# Altium PCB main.PcbDoc (part 1 of 5) (continued)
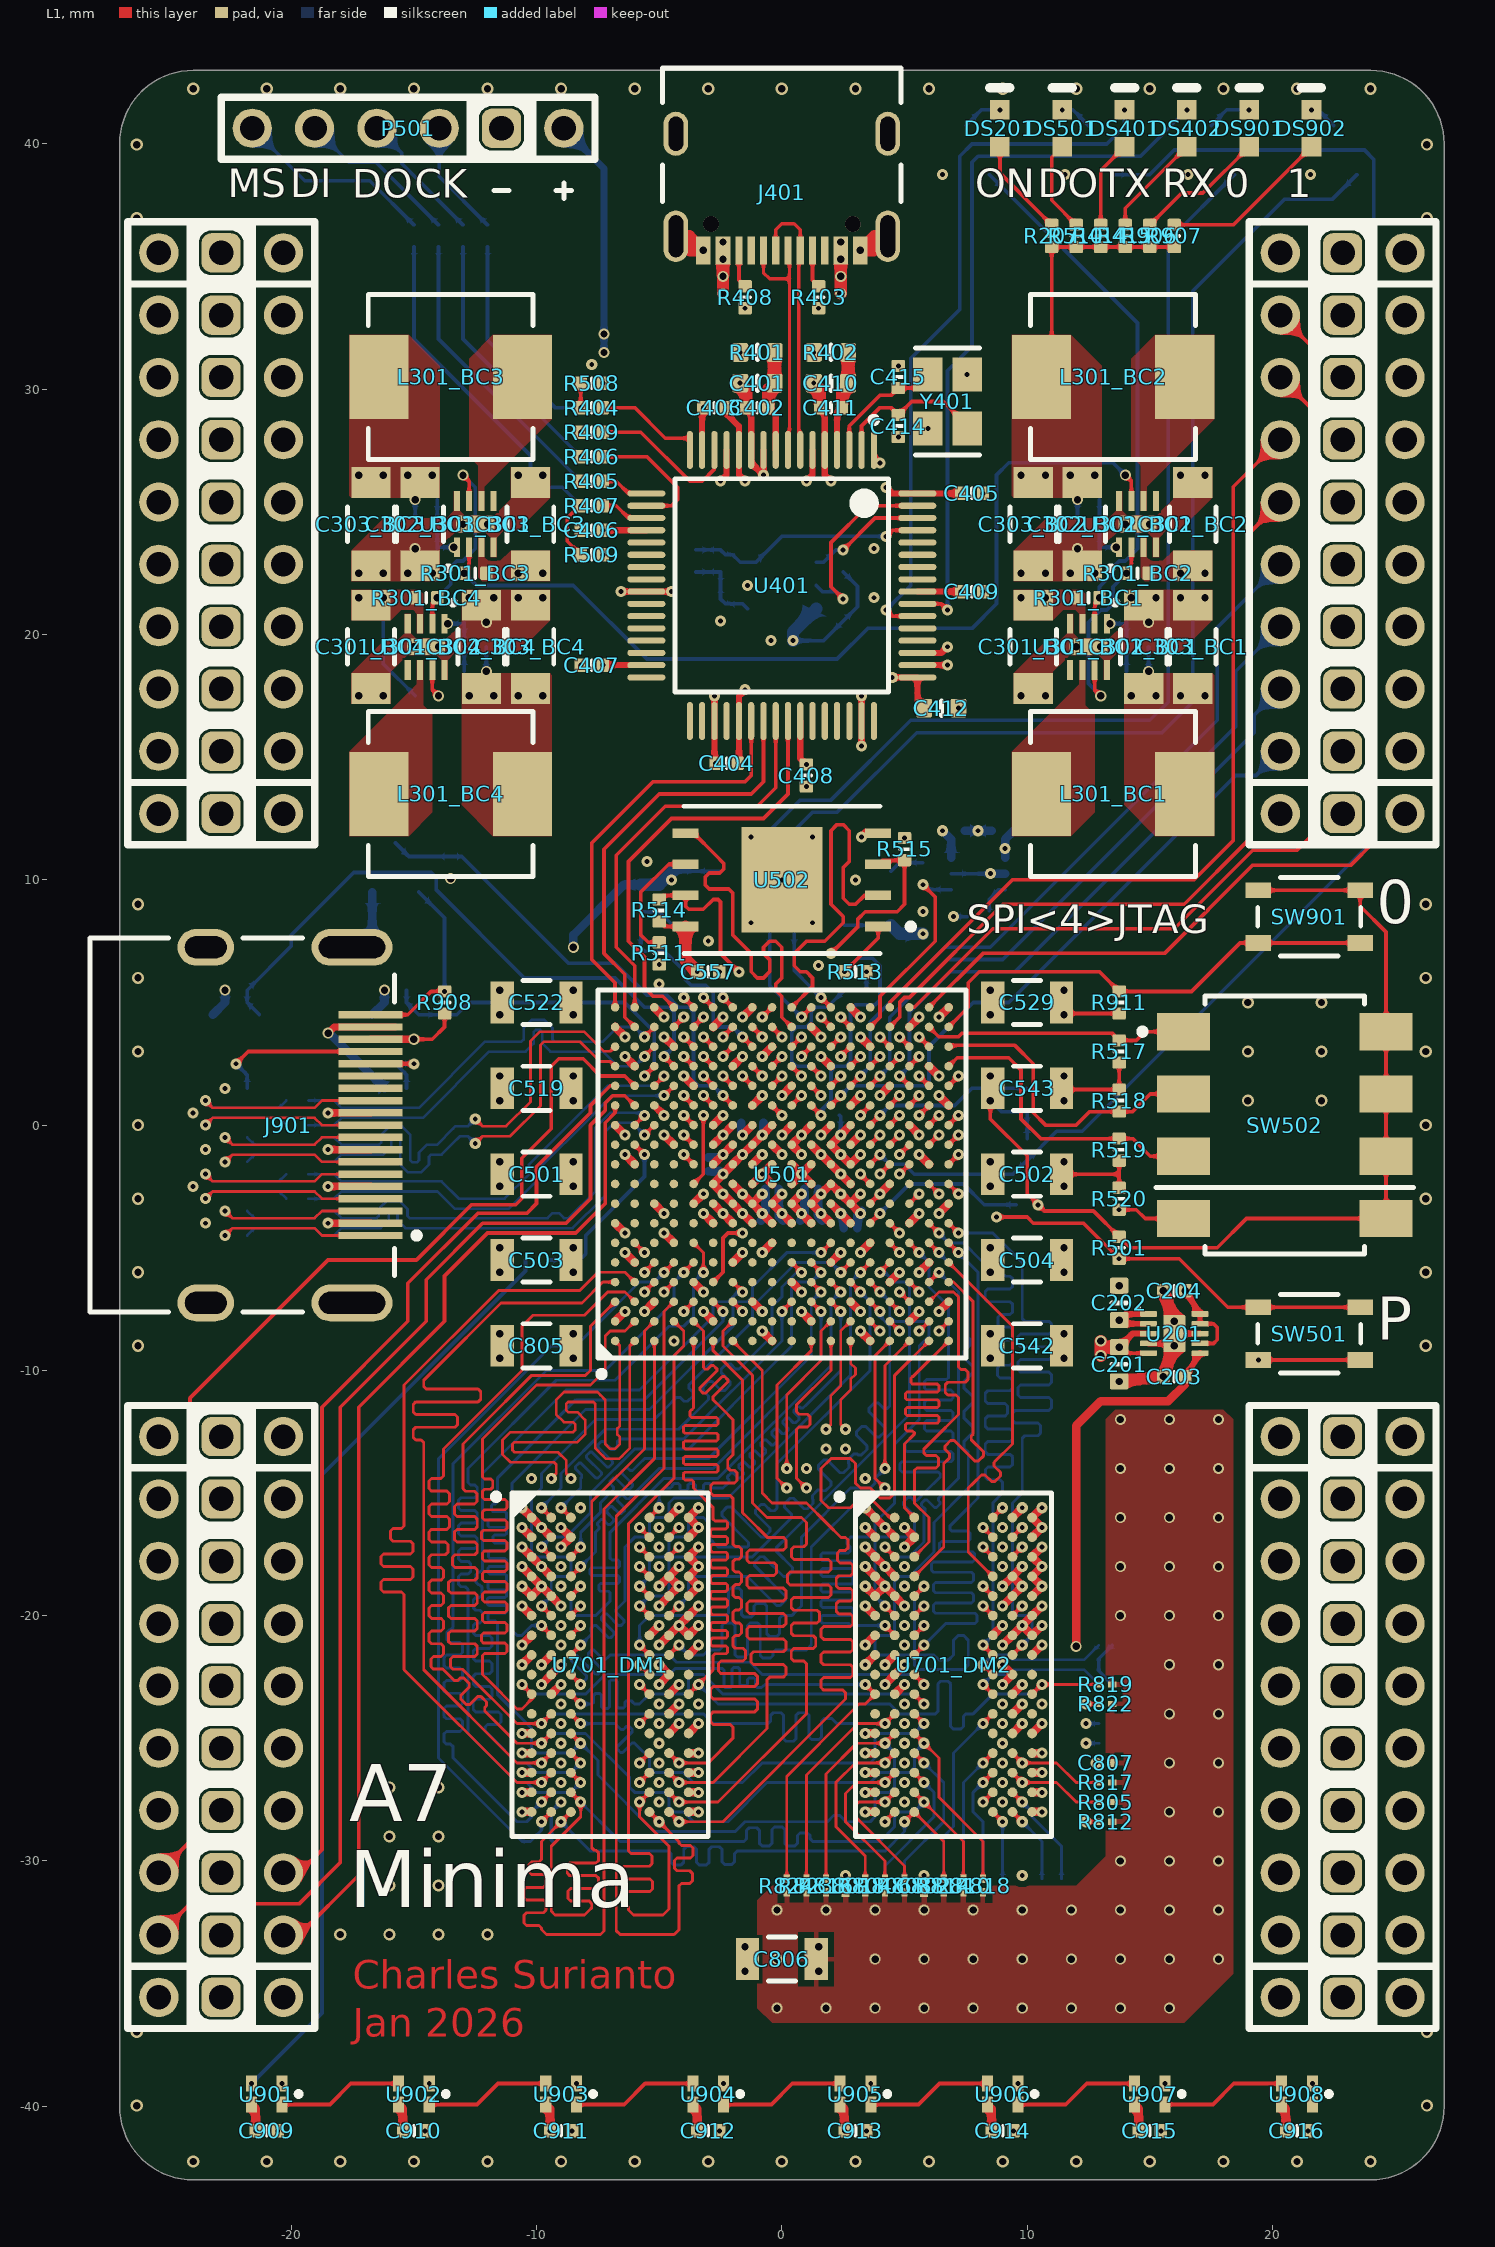
[diagram p0: L1 view]
## Components (designator, comment, footprint, x,y, rotation, side; value= is the part's Value field where it differs from the comment) (continued)
C901 "Capacitors,0402,100n,16" CAPC0402(1005)60_L -22.25,-4.5 r180 bottom value=100n
C902 "Capacitors,0402,100n,16" CAPC0402(1005)60_L -22.25,-3.5 r180 bottom value=100n
C903 "Capacitors,0402,100n,16" CAPC0402(1005)60_L -19.75,-3 r180 bottom value=100n
C904 "Capacitors,0402,100n,16" CAPC0402(1005)60_L -19.75,-2 r180 bottom value=100n
C905 "Capacitors,0402,100n,16" CAPC0402(1005)60_L -22.25,-1.5 r180 bottom value=100n
C906 "Capacitors,0402,100n,16" CAPC0402(1005)60_L -22.25,-0.5 r180 bottom value=100n
C907 "Capacitors,0402,100n,16" CAPC0402(1005)60_L -19.75,0 r180 bottom value=100n
C908 "Capacitors,0402,100n,16" CAPC0402(1005)60_L -19.75,1 r180 bottom value=100n
C909 "Capacitors,0402,100n,16" CAPC0402(1005)60_L -21,-41 r0 top value=100n
C910 "Capacitors,0402,100n,16" CAPC0402(1005)60_L -15,-41 r0 top value=100n
C911 "Capacitors,0402,100n,16" CAPC0402(1005)60_L -9,-41 r0 top value=100n
C912 "Capacitors,0402,100n,16" CAPC0402(1005)60_L -3,-41 r0 top value=100n
C913 "Capacitors,0402,100n,16" CAPC0402(1005)60_L 3,-41 r0 top value=100n
C914 "Capacitors,0402,100n,16" CAPC0402(1005)60_L 9,-41 r0 top value=100n
C915 "Capacitors,0402,100n,16" CAPC0402(1005)60_L 15,-41 r0 top value=100n
C916 "Capacitors,0402,100n,16" CAPC0402(1005)60_L 21,-41 r0 top value=100n
DS201 "SML-LX0603YW-TR" LUMX-SML-LX0603_V 8.89,40.64 r90 top locked
DS401 "SML-LX0603YW-TR" LUMX-SML-LX0603_V 13.97,40.64 r90 top locked
DS402 "SML-LX0603YW-TR" LUMX-SML-LX0603_V 16.51,40.64 r90 top locked
DS501 "SML-LX0603YW-TR" LUMX-SML-LX0603_V 11.43,40.64 r90 top locked
DS901 "SML-LX0603YW-TR" LUMX-SML-LX0603_V 19.05,40.64 r90 top locked
DS902 "SML-LX0603YW-TR" LUMX-SML-LX0603_V 21.59,40.64 r90 top locked
J401 "USB4105-GF-A" FP-USB4105-GF-A-MFG 0,39.25 r180 top locked
J901 "208658-1051" FP-208658-1051-MFG -22,0 r270 top locked
J1001 "TSW-110-07-T-S" FP-TSW-110-07-T-S-MFG#1 -25.4,24.13 r270 bottom locked
J1002 "TSW-110-07-T-S" FP-TSW-110-07-T-S-MFG#1 -20.32,24.13 r270 bottom locked
J1003 "TSW-110-07-T-S" FP-TSW-110-07-T-S-MFG#1 20.32,24.13 r270 bottom locked
J1004 "TSW-110-07-T-S" FP-TSW-110-07-T-S-MFG#1 25.4,24.13 r270 bottom locked
J1005 "TSW-110-07-T-S" FP-TSW-110-07-T-S-MFG#1 -25.4,-24.13 r270 bottom locked
J1006 "TSW-110-07-T-S" FP-TSW-110-07-T-S-MFG#1 -20.32,-24.13 r270 bottom locked
J1007 "TSW-110-07-T-S" FP-TSW-110-07-T-S-MFG#1 20.32,-24.13 r270 bottom locked
J1008 "TSW-110-07-T-S" FP-TSW-110-07-T-S-MFG#1 25.4,-24.13 r270 bottom locked
J1009 "TSW-110-07-T-S" FP-TSW-110-07-T-S-MFG#2 -22.86,24.13 r270 bottom locked
J1010 "TSW-110-07-T-S" FP-TSW-110-07-T-S-MFG#2 22.86,24.13 r270 bottom locked
J1011 "TSW-110-07-T-S" FP-TSW-110-07-T-S-MFG#2 -22.86,-24.13 r270 bottom locked
J1012 "TSW-110-07-T-S" FP-TSW-110-07-T-S-MFG#2 22.86,-24.13 r270 bottom locked
L301_BC1 "IHLP2525AHER4R7M01" FP-IHLP-2525AH-FP_2_413x3-MFG 13.5,13.5 r0 top locked (schematic designator L301)
L301_BC2 "IHLP2525AHER4R7M01" FP-IHLP-2525AH-FP_2_413x3-MFG 13.5,30.5 r180 top locked (schematic designator L301)
L301_BC3 "IHLP2525AHER4R7M01" FP-IHLP-2525AH-FP_2_413x3-MFG -13.5,30.5 r180 top locked (schematic designator L301)
L301_BC4 "IHLP2525AHER4R7M01" FP-IHLP-2525AH-FP_2_413x3-MFG -13.5,13.5 r0 top locked (schematic designator L301)
P501 "TSW-106-07-F-S" SMTC-TSW-106-07-X-S -8.89,40.64 r180 top locked
Q201 "2N7002-7-F" FP-SOT23-MFG 7.5,39.75 r90 bottom
Q501 "2N7002-7-F" FP-SOT23-MFG 12.5,39.75 r90 bottom
Q901 "2N7002-7-F" FP-SOT23-MFG -15.75,3.5 r270 bottom
Q902 "2N7002-7-F" FP-SOT23-MFG -22.25,3.5 r270 bottom
Q903 "2N7002-7-F" FP-SOT23-MFG -15.75,10.5 r90 bottom
Q904 "2N7002-7-F" FP-SOT23-MFG 17.5,39.75 r90 bottom
Q905 "2N7002-7-F" FP-SOT23-MFG 22.5,39.75 r90 bottom
R201 "Resistors,0402,1%,68k" RESC0402(1005)_L -12.5,19.5 r180 bottom locked value=68k
R202 "Resistors,0402,1%,100k" RESC0402(1005)_L -14.5,17.5 r0 bottom locked value=100k
R203 "Resistors,0402,1%,100k" RESC0402(1005)_L -12.5,20.5 r0 bottom locked value=100k
R204 "Resistors,0402,1%,200k" RESC0402(1005)_L -14.5,24.5 r0 bottom locked value=200k
R205 "Resistors,0402,1%,100k" RESC0402(1005)_L -14.5,23.5 r180 bottom locked value=100k
R206 "Resistors,0402,1%,450k" RESC0402(1005)_L 12.5,24.5 r0 bottom locked value=450k
R207 "Resistors,0402,1k" RESC0402(1005)_L 11,36.25 r90 top value=1k
R208 "Resistors,0402,1%,100k" RESC0402(1005)_L 12.5,23.5 r180 bottom locked value=100k
R209 "Resistors,0402,1%,150k" RESC0402(1005)_L 14.5,19.5 r180 bottom locked value=150k
R210 "Resistors,0402,1%,100k" RESC0402(1005)_L 14.5,20.5 r0 bottom locked value=100k
R301_BC1 "Resistors,0402,1%,100k" RESC0402(1005)_L 12.5,21.5 r0 top locked value=100k (schematic designator R301)
R301_BC2 "Resistors,0402,1%,100k" RESC0402(1005)_L 14.5,22.5 r180 top locked value=100k (schematic designator R301)
R301_BC3 "Resistors,0402,1%,100k" RESC0402(1005)_L -12.5,22.5 r180 top locked value=100k (schematic designator R301)
R301_BC4 "Resistors,0402,1%,100k" RESC0402(1005)_L -14.5,21.5 r0 top locked value=100k (schematic designator R301)
R401 "Resistors,0603,0" RESC0603(1608)_L -1,31.5 r0 top locked value=0
R402 "Resistors,0603,0" RESC0603(1608)_L 2,31.5 r0 top locked value=0
R403 "Resistors,0402,5.1k" RESC0402(1005)_L 1.5,33.75 r270 top locked value=5.1k
R404 "Resistors,0402,10" RESC0402(1005)_L -7.75,29.25 r0 top locked value=10
R405 "Resistors,0402,10" RESC0402(1005)_L -7.75,26.25 r0 top locked value=10
R406 "Resistors,0402,10" RESC0402(1005)_L -7.75,27.25 r0 top locked value=10
R407 "Resistors,0402,10" RESC0402(1005)_L -7.75,25.25 r0 top locked value=10
R408 "Resistors,0402,5.1k" RESC0402(1005)_L -1.5,33.75 r270 top locked value=5.1k
R409 "Resistors,0402,4.7k" RESC0402(1005)_L -7.75,28.25 r0 top locked value=4.7k
R410 "Resistors,0402,1%,12k" RESC0402(1005)_L 1.5,26.25 r0 bottom locked value=12k
R411 "Resistors,0402,10k" RESC0402(1005)_L 2.5,21 r90 bottom locked value=10k
R412 "Resistors,0402,10k" RESC0402(1005)_L -2.5,21 r90 bottom locked value=10k
R413 "Resistors,0402,10k" RESC0402(1005)_L 2.5,23 r90 bottom value=10k
R414 "Resistors,0402,1k" RESC0402(1005)_L 13,36.25 r90 top value=1k
R415 "Resistors,0402,1k" RESC0402(1005)_L 14,36.25 r90 top value=1k
R416 "Resistors,0402,4.7k" RESC0402(1005)_L -2.5,23 r270 bottom locked value=4.7k
R417 "Resistors,0402,4.7k" RESC0402(1005)_L -3.5,23 r270 bottom value=4.7k
R501 "Resistors,0402,4.7k" RESC0402(1005)_L 13.75,-5 r270 top value=4.7k
R502 "Resistors,0402,4.7k" RESC0402(1005)_L 10,-3.25 r180 bottom value=4.7k
R503 "Resistors,0402,4.7k" RESC0402(1005)_L 10,-1 r270 bottom value=4.7k
R504 "Resistors,0402,10" RESC0402(1005)_L -15,36.25 r270 bottom value=10
R505 "Resistors,0402,10" RESC0402(1005)_L -14,36.25 r270 bottom value=10
R506 "Resistors,0402,10" RESC0402(1005)_L -13,36.25 r270 bottom value=10
R507 "Resistors,0402,10" RESC0402(1005)_L -12,36.25 r270 bottom value=10
R508 "Resistors,0402,10k" RESC0402(1005)_L -7.75,30.25 r180 top locked value=10k
R509 "Resistors,0402,10k" RESC0402(1005)_L -7.75,23.25 r180 top locked value=10k
R510 "Resistors,0402,1k" RESC0402(1005)_L 12,36.25 r90 top value=1k
R511 "Resistors,0402,10" RESC0402(1005)_L -5,7 r90 top value=10
R512 "Resistors,0402,1k" RESC0402(1005)_L 10,1 r90 bottom value=1k
R513 "Resistors,0402,4.7k" RESC0402(1005)_L 3,6.25 r180 top value=4.7k
R514 "Resistors,0402,4.7k" RESC0402(1005)_L -5,8.75 r90 top value=4.7k
R515 "Resistors,0402,4.7k" RESC0402(1005)_L 5,11.25 r270 top value=4.7k
R516 "Resistors,0402,1k" RESC0402(1005)_L 2.8,0.4 r0 bottom value=1k
R517 "Resistors,0402,10k" RESC0402(1005)_L 13.75,3 r270 top value=10k
R518 "Resistors,0402,10k" RESC0402(1005)_L 13.75,1 r90 top value=10k
R519 "Resistors,0402,10k" RESC0402(1005)_L 13.75,-1 r270 top value=10k
R520 "Resistors,0402,1k" RESC0402(1005)_L 13.75,-3 r270 top value=1k
R521 "Resistors,0402,1k" RESC0402(1005)_L 3,5.5 r180 bottom value=1k
R601 "Resistors,0402,10" RESC0402(1005)_L 5.75,10.25 r270 bottom value=10
R602 "Resistors,0402,10" RESC0402(1005)_L 8,8.5 r180 bottom value=10
R603 "Resistors,0402,10" RESC0402(1005)_L -5.75,8.25 r270 bottom value=10
R701_DM1 "RMCF0201FG240R" FP-RMCF0201-IPC_C -3.8,-23.6 r0 bottom (schematic designator R701)
R701_DM2 "RMCF0201FG240R" FP-RMCF0201-IPC_C 10.2,-23.6 r0 bottom (schematic designator R701)
R801 "CRCW020149R9FKED" RESC0603X28X15LL05T05 5,-31 r270 bottom value=49.9
R802 "CRCW020149R9FKED" RESC0603X28X15LL05T05 8.2,-31 r270 bottom value=49.9
R803 "CRCW020149R9FKED" RESC0603X28X15LL05T05 4.2,-31 r270 bottom value=49.9
R804 "CRCW020149R9FKED" RESC0603X28X15LL05T05 3.4,-31 r270 top value=49.9
R805 "CRCW020149R9FKED" RESC0603X28X15LL05T05 13.2,-27.6 r0 top value=49.9
R806 "CRCW020149R9FKED" RESC0603X28X15LL05T05 4.2,-31 r270 top value=49.9
R807 "CRCW020149R9FKED" RESC0603X28X15LL05T05 11.4,-31 r270 bottom value=49.9
R808 "CRCW020149R9FKED" RESC0603X28X15LL05T05 5,-31 r270 top value=49.9
R809 "CRCW020149R9FKED" RESC0603X28X15LL05T05 10.6,-31 r270 bottom value=49.9
R810 "CRCW020149R9FKED" RESC0603X28X15LL05T05 7.4,-31 r270 top value=49.9
R811 "CRCW020149R9FKED" RESC0603X28X15LL05T05 6.6,-31 r270 bottom value=49.9
R812 "CRCW020149R9FKED" RESC0603X28X15LL05T05 13.2,-28.4 r0 top value=49.9
R813 "CRCW020149R9FKED" RESC0603X28X15LL05T05 7.4,-31 r270 bottom value=49.9
R814 "CRCW020149R9FKED" RESC0603X28X15LL05T05 6.6,-31 r270 top value=49.9
R815 "CRCW020149R9FKED" RESC0603X28X15LL05T05 9,-31 r270 bottom value=49.9
R816 "CRCW020149R9FKED" RESC0603X28X15LL05T05 1.8,-31 r270 top value=49.9
R817 "CRCW020149R9FKED" RESC0603X28X15LL05T05 13.2,-26.8 r0 top value=49.9
R818 "CRCW020149R9FKED" RESC0603X28X15LL05T05 8.2,-31 r270 top value=49.9
R819 "CRCW020149R9FKED" RESC0603X28X15LL05T05 13.2,-22.8 r0 top value=49.9
R820 "CRCW020149R9FKED" RESC0603X28X15LL05T05 13.2,-25.2 r0 bottom value=49.9
R821 "CRCW020149R9FKED" RESC0603X28X15LL05T05 13.2,-24.4 r0 bottom value=49.9
R822 "CRCW020149R9FKED" RESC0603X28X15LL05T05 13.2,-23.6 r0 top value=49.9
R823 "CRCW020149R9FKED" RESC0603X28X15LL05T05 1,-31 r270 top value=49.9
R824 "CRCW020149R9FKED" RESC0603X28X15LL05T05 0.2,-31 r270 top value=49.9
R825 "CRCW020149R9FKED" RESC0603X28X15LL05T05 13.2,-21.2 r180 bottom value=49.9
R826 "CRCW020149R9FKED" RESC0603X28X15LL05T05 13.2,-22.8 r0 bottom value=49.9
R827 "Resistors,0402,4.7k" RESC0402(1005)_L -9.8,-29.2 r0 bottom value=4.7k
R901 "Resistors,0402,4.7k" RESC0402(1005)_L -15.75,5.5 r180 bottom value=4.7k
R902 "Resistors,0402,4.7k" RESC0402(1005)_L -22.25,5.5 r180 bottom value=4.7k
R903 "Resistors,0402,4.7k" RESC0402(1005)_L -15.75,1.5 r0 bottom value=4.7k
R904 "Resistors,0402,4.7k" RESC0402(1005)_L -22.25,1.5 r0 bottom value=4.7k
R905 "Resistors,0402,10k" RESC0402(1005)_L -13.5,10.5 r90 bottom value=10k
R906 "Resistors,0402,1k" RESC0402(1005)_L 15,36.25 r90 top value=1k
R907 "Resistors,0402,1k" RESC0402(1005)_L 16,36.25 r90 top value=1k
R908 "Resistors,0402,10k" RESC0402(1005)_L -13.75,5 r270 top value=10k
R909 "Resistors,0402,10" RESC0402(1005)_L -0.5,8.25 r90 bottom value=10
R910 "Resistors,0402,10" RESC0402(1005)_L 0.5,8.25 r90 bottom value=10
R911 "Resistors,0402,10k" RESC0402(1005)_L 13.75,5 r270 top value=10k
R912 "Resistors,0402,1%,100k" RESC0402(1005)_L -1,11.5 r180 bottom value=100k
R913 "Resistors,0402,1%,100k" RESC0402(1005)_L 1,11.5 r0 bottom value=100k
R914 "Resistors,0402,10" RESC0402(1005)_L -10,-5.5 r180 bottom value=10
SW501 "PTS810SJM250SMTRLFS" FP-PTS810SJM250SMTRLFS-MFG 21.5,-8.5 r0 top locked
SW502 "1825006-7" FP-1825006-7-MFG 20.5,0 r0 top locked
SW901 "PTS810SJM250SMTRLFS" FP-PTS810SJM250SMTRLFS-MFG 21.5,8.5 r0 top locked
U201 "TPS51206DSQR" DSQ0010A_V 16,-8.5 r0 top
U301_BC1 "SY8003ADFC" DFN2x2-8 12.5,19.5 r270 top locked (schematic designator U301)
U301_BC2 "SY8003ADFC" DFN2x2-8 14.5,24.5 r90 top locked (schematic designator U301)
U301_BC3 "SY8003ADFC" DFN2x2-8 -12.5,24.5 r90 top locked (schematic designator U301)
U301_BC4 "SY8003ADFC" DFN2x2-8 -14.5,19.5 r270 top locked (schematic designator U301)
U401 "FT2232HL-Reel" LQFP-64_L 0,22 r270 top locked
U402 "93LC56BT-I/OT" FP-C04-028-MFG 0,22 r0 bottom locked
U501 "XC7A100T-2CSG324I" CSG324 0,-2 r90 top locked
U502 "IS25LP256D-JLLE-TR" FP-PG-WSON-8-IPC_A 0,10 r180 top locked
U601 "SN74AXC1T45DCKR" FP-DCK0006A-MFG 8,10.25 r180 bottom
U701_DM1 "MT41K256M16TW-107 IT:P" MICT-TW-96 -7,-22 r0 top locked (schematic designator U701)
U701_DM2 "MT41K256M16TW-107 IT:P" MICT-TW-96 7,-22 r0 top locked (schematic designator U701)
U901 "WS2812B 1615" "WS2812B 1615" -21,-39.5 r180 top
U902 "WS2812B 1615" "WS2812B 1615" -15,-39.5 r180 top
U903 "WS2812B 1615" "WS2812B 1615" -9,-39.5 r180 top
U904 "WS2812B 1615" "WS2812B 1615" -3,-39.5 r180 top
U905 "WS2812B 1615" "WS2812B 1615" 3,-39.5 r180 top
U906 "WS2812B 1615" "WS2812B 1615" 9,-39.5 r180 top
U907 "WS2812B 1615" "WS2812B 1615" 15,-39.5 r180 top
U908 "WS2812B 1615" "WS2812B 1615" 21,-39.5 r180 top
Y401 "NX3225SA-12.000M-STD-CRS-2" FP-NX3225SA-MFG 6.75,29.5 r90 top locked
Y601 "SIT8008BI-23-33E-50.000000E" FP-SiT8008-2-MFG 3.5,9.25 r90 bottom
Y602 "SIT8208AI-2F-33E-27.000000Y" FP-SiT8208-2-MFG -3.5,9.25 r270 bottom

## Footprints (in the part's own frame and the unit in brackets; to place one, negate y for a bottom-side part, rotate by r counter-clockwise, add the part's x,y. Pads: shape width x height; smd on the part's side, far side on the other; paste and mask are expansions set on the pad)
CAPC0402(1005)60_L [mm] "Chip Capacitor, Body 1.0x0.5mm, Height 0.6mm, IPC High Density"
  rrect25% 0.5x0.55 smd: 1(-0.45,0) 2(0.45,0)
  silkscreen extent 0,-0.2 0,0.2, body extent -0.5,-0.25 0.5,0.25, height 0.6
CAPC0603(1608)100_L [mm] "Chip Capacitor, Body 1.6x0.8mm, Height 1.0mm, IPC High Density"
  rrect25% 0.66x0.76 smd: 1(-0.7,0) 2(0.7,0)
  silkscreen extent 0,-0.3 0,0.3, body extent -0.8,-0.4 0.8,0.4, height 0.95
CAPC0603X33X15LL03T05 [mm] "Chip Capacitor, 2-Leads, Body 0.60x0.30mm, IPC High Density"
  rect 0.36x0.32 smd: 1(-0.28,0) 2(0.28,0)
  body extent -0.32,-0.17 0.32,0.17, height 0.33
CSG324 [mm] "BGA, 324-Balls, Body 15x15mm, Pitch 0.8mm"
  round 0.35 smd: A1(-6.8,6.8) A2(-6,6.8) A3(-5.2,6.8) A4(-4.4,6.8) A5(-3.6,6.8) A6(-2.8,6.8) A7(-2,6.8) A8(-1.2,6.8) A9(-0.4,6.8) A10(0.4,6.8) A11(1.2,6.8) A12(2,6.8) A13(2.8,6.8) A14(3.6,6.8) A15(4.4,6.8) A16(5.2,6.8) A17(6,6.8) A18(6.8,6.8) B1(-6.8,6) B2(-6,6) B3(-5.2,6) B4(-4.4,6) B5(-3.6,6) B6(-2.8,6) B7(-2,6) B8(-1.2,6) B9(-0.4,6) B10(0.4,6) B11(1.2,6) B12(2,6) B13(2.8,6) B14(3.6,6) B15(4.4,6) B16(5.2,6) B17(6,6) B18(6.8,6) C1(-6.8,5.2) C2(-6,5.2) C3(-5.2,5.2) C4(-4.4,5.2) C5(-3.6,5.2) C6(-2.8,5.2) C7(-2,5.2) C8(-1.2,5.2) C9(-0.4,5.2) C10(0.4,5.2) C11(1.2,5.2) C12(2,5.2) C13(2.8,5.2) C14(3.6,5.2) C15(4.4,5.2) C16(5.2,5.2) C17(6,5.2) C18(6.8,5.2) D1(-6.8,4.4) D2(-6,4.4) D3(-5.2,4.4) D4(-4.4,4.4) D5(-3.6,4.4) D6(-2.8,4.4) D7(-2,4.4) D8(-1.2,4.4) D9(-0.4,4.4) D10(0.4,4.4) D11(1.2,4.4) D12(2,4.4) D13(2.8,4.4) D14(3.6,4.4) D15(4.4,4.4) D16(5.2,4.4) D17(6,4.4) D18(6.8,4.4) E1(-6.8,3.6) E2(-6,3.6) E3(-5.2,3.6) E4(-4.4,3.6) E5(-3.6,3.6) E6(-2.8,3.6) E7(-2,3.6) E8(-1.2,3.6) E9(-0.4,3.6) E10(0.4,3.6) E11(1.2,3.6) E12(2,3.6) E13(2.8,3.6) E14(3.6,3.6) E15(4.4,3.6) E16(5.2,3.6) E17(6,3.6) E18(6.8,3.6) F1(-6.8,2.8) F2(-6,2.8) F3(-5.2,2.8) F4(-4.4,2.8) F5(-3.6,2.8) F6(-2.8,2.8) F7(-2,2.8) F8(-1.2,2.8) F9(-0.4,2.8) F10(0.4,2.8) F11(1.2,2.8) F12(2,2.8) F13(2.8,2.8) F14(3.6,2.8) F15(4.4,2.8) F16(5.2,2.8) F17(6,2.8) F18(6.8,2.8) G1(-6.8,2) G2(-6,2) G3(-5.2,2) G4(-4.4,2) G5(-3.6,2) G6(-2.8,2) G7(-2,2) G8(-1.2,2) G9(-0.4,2) G10(0.4,2) G11(1.2,2) G12(2,2) G13(2.8,2) G14(3.6,2) G15(4.4,2) G16(5.2,2) G17(6,2) G18(6.8,2) H1(-6.8,1.2) H2(-6,1.2) H3(-5.2,1.2) H4(-4.4,1.2) H5(-3.6,1.2) H6(-2.8,1.2) H7(-2,1.2) H8(-1.2,1.2) H9(-0.4,1.2) H10(0.4,1.2) H11(1.2,1.2) H12(2,1.2) H13(2.8,1.2) H14(3.6,1.2) H15(4.4,1.2) H16(5.2,1.2) H17(6,1.2) H18(6.8,1.2) J1(-6.8,0.4) J2(-6,0.4) J3(-5.2,0.4) J4(-4.4,0.4) J5(-3.6,0.4) J6(-2.8,0.4) J7(-2,0.4) J8(-1.2,0.4) J9(-0.4,0.4) J10(0.4,0.4) J11(1.2,0.4) J12(2,0.4) J13(2.8,0.4) J14(3.6,0.4) J15(4.4,0.4) J16(5.2,0.4) J17(6,0.4) J18(6.8,0.4) K1(-6.8,-0.4) K2(-6,-0.4) K3(-5.2,-0.4) K4(-4.4,-0.4) K5(-3.6,-0.4) K6(-2.8,-0.4) K7(-2,-0.4) K8(-1.2,-0.4) K9(-0.4,-0.4) K10(0.4,-0.4) K11(1.2,-0.4) K12(2,-0.4) K13(2.8,-0.4) K14(3.6,-0.4) K15(4.4,-0.4) K16(5.2,-0.4) K17(6,-0.4) K18(6.8,-0.4) L1(-6.8,-1.2) L2(-6,-1.2) L3(-5.2,-1.2) L4(-4.4,-1.2) L5(-3.6,-1.2) L6(-2.8,-1.2) L7(-2,-1.2) L8(-1.2,-1.2) L9(-0.4,-1.2) L10(0.4,-1.2) L11(1.2,-1.2) L12(2,-1.2) L13(2.8,-1.2) L14(3.6,-1.2) L15(4.4,-1.2) L16(5.2,-1.2) L17(6,-1.2) L18(6.8,-1.2) M1(-6.8,-2) M2(-6,-2) M3(-5.2,-2) M4(-4.4,-2) M5(-3.6,-2) M6(-2.8,-2) M7(-2,-2) M8(-1.2,-2) M9(-0.4,-2) M10(0.4,-2) M11(1.2,-2) M12(2,-2) M13(2.8,-2) M14(3.6,-2) M15(4.4,-2) M16(5.2,-2) M17(6,-2) M18(6.8,-2) N1(-6.8,-2.8) N2(-6,-2.8) N3(-5.2,-2.8) N4(-4.4,-2.8) N5(-3.6,-2.8) N6(-2.8,-2.8) N7(-2,-2.8) N8(-1.2,-2.8) N9(-0.4,-2.8) N10(0.4,-2.8) N11(1.2,-2.8) N12(2,-2.8) N13(2.8,-2.8) N14(3.6,-2.8) N15(4.4,-2.8) N16(5.2,-2.8) N17(6,-2.8) N18(6.8,-2.8) P1(-6.8,-3.6) P2(-6,-3.6) P3(-5.2,-3.6) P4(-4.4,-3.6) P5(-3.6,-3.6) P6(-2.8,-3.6) P7(-2,-3.6) P8(-1.2,-3.6) P9(-0.4,-3.6) P10(0.4,-3.6) P11(1.2,-3.6) P12(2,-3.6) P13(2.8,-3.6) P14(3.6,-3.6) P15(4.4,-3.6) P16(5.2,-3.6) P17(6,-3.6) P18(6.8,-3.6) R1(-6.8,-4.4) R2(-6,-4.4) R3(-5.2,-4.4) R4(-4.4,-4.4) R5(-3.6,-4.4) R6(-2.8,-4.4) R7(-2,-4.4) R8(-1.2,-4.4) R9(-0.4,-4.4) R10(0.4,-4.4) R11(1.2,-4.4) R12(2,-4.4) R13(2.8,-4.4) R14(3.6,-4.4) R15(4.4,-4.4) R16(5.2,-4.4) R17(6,-4.4) R18(6.8,-4.4) T1(-6.8,-5.2) T2(-6,-5.2) T3(-5.2,-5.2) T4(-4.4,-5.2) T5(-3.6,-5.2) T6(-2.8,-5.2) T7(-2,-5.2) T8(-1.2,-5.2) T9(-0.4,-5.2) T10(0.4,-5.2) T11(1.2,-5.2) T12(2,-5.2) T13(2.8,-5.2) T14(3.6,-5.2) T15(4.4,-5.2) T16(5.2,-5.2) T17(6,-5.2) T18(6.8,-5.2) U1(-6.8,-6) U2(-6,-6) U3(-5.2,-6) U4(-4.4,-6) U5(-3.6,-6) U6(-2.8,-6) U7(-2,-6) U8(-1.2,-6) U9(-0.4,-6) U10(0.4,-6) U11(1.2,-6) U12(2,-6) U13(2.8,-6) U14(3.6,-6) U15(4.4,-6) U16(5.2,-6) U17(6,-6) U18(6.8,-6) V1(-6.8,-6.8) V2(-6,-6.8) V3(-5.2,-6.8) V4(-4.4,-6.8) V5(-3.6,-6.8) V6(-2.8,-6.8) V7(-2,-6.8) V8(-1.2,-6.8) V9(-0.4,-6.8) V10(0.4,-6.8) V11(1.2,-6.8) V12(2,-6.8) V13(2.8,-6.8) V14(3.6,-6.8) V15(4.4,-6.8) V16(5.2,-6.8) V17(6,-6.8) V18(6.8,-6.8)
  silkscreen extent -8.27,-7.5 7.5,7.5, body extent -7.5,-7.5 7.5,7.5, height 1.5
DFN2x2-8 [mm]
  rect 0.8x0.25 smd mask+0.15: 1(-0.945,0.75) 2(-0.945,0.25) 3(-0.945,-0.25) 4(-0.945,-0.75) 5(0.945,-0.75) 6(0.945,-0.25) 7(0.945,0.25) 8(0.945,0.75)
  rect 0.69x1.55 smd: 9(0,0)
  silkscreen extent -1.9,1 -1.7,1.2, body extent -1.05,-1.05 1.05,1.05, height 0.65
DSQ0010A_V [mm] "SON, 10-Leads, Body 2x2mm, Pitch 0.4mm, Thermal Pad 1.5x0.9mm"
  rrect43% 0.7x0.23 smd: 1(-1.05,0.8) 2(-1.05,0.4) 3(-1.05,0) 4(-1.05,-0.4) 5(-1.05,-0.8) 6(1.05,-0.8) 7(1.05,-0.4) 8(1.05,0) 9(1.05,0.4) 10(1.05,0.8)
  rrect11% 0.9x1.5 smd: 11(0,0)
  silkscreen extent -1.5,1 -1.4,1.1, body extent -1,-1 1,1, height 0.8
FP-1206-L_3_2_0_3-W_1_6_0-MFG [mm]
  rect 1.25x1.6 smd paste+0 mask+0: 1(-1.7,0) 2(1.7,0)
  silkscreen extent -0.7,-0.95 0.7,0.95, body extent -2.43,-1.05 2.43,1.05, height 0.25